# Allegro board KIT_PSE84_AI_PSOC_Edge_E84_AI_Board_Layout.brd (continued)
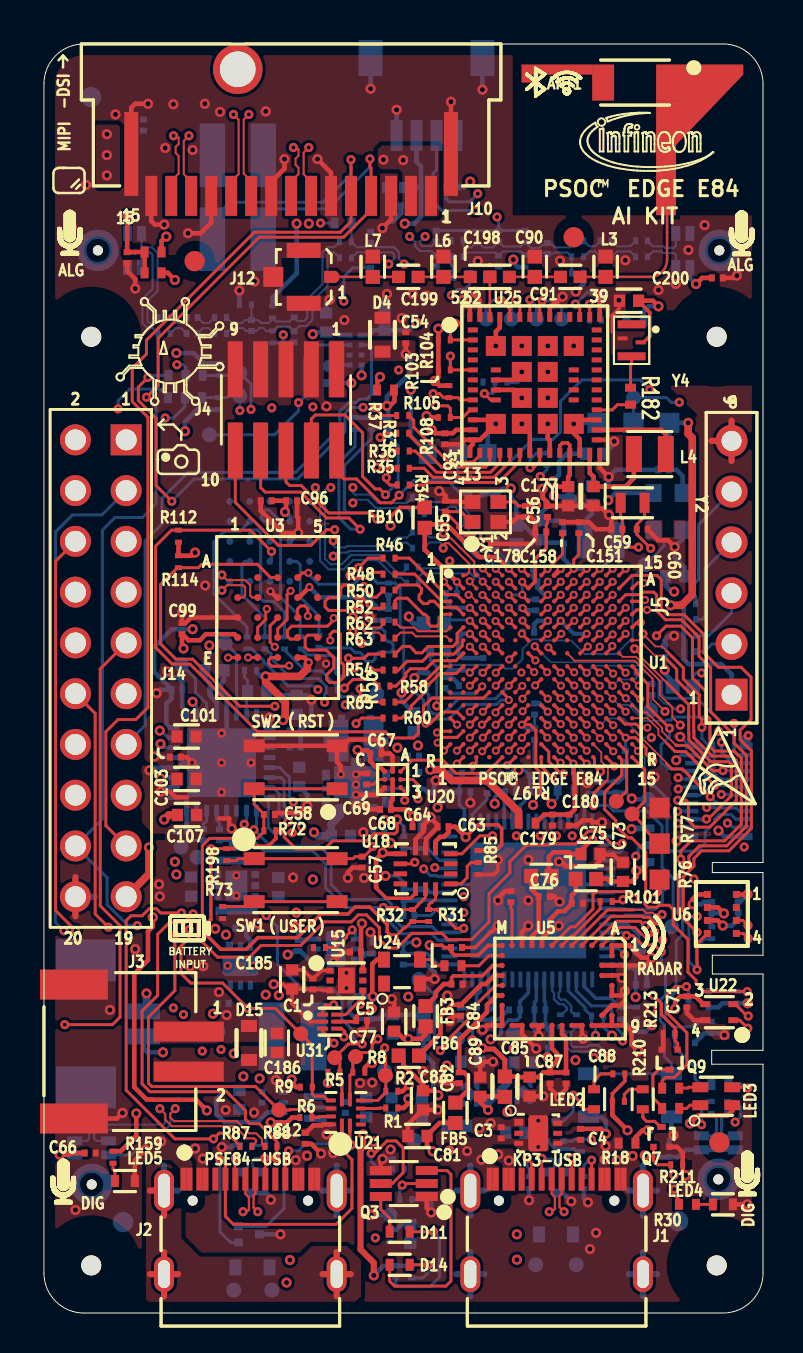
[diagram p0: board, top side]
## Placement (name value [footprint] x y rotation side) (continued)
R23  15K  [RESC0603_0201N]  20.85 14.96 90 bottom
R24  30K  [RESC0603_0201N]  21.65 14.96 90 bottom
R25  15K  [RESC0603_0201N]  28.87 15.01 90 bottom
R26  22 OHM  [RESC0603_0201N]  26.66 14.63 90 bottom
R27  30K  [RESC0603_0201N]  29.67 15.01 90 bottom
R28  22 OHM  [RESC0603_0201N]  25.86 14.63 90 bottom
R29  4.7K  [RESC0603_0201N]  27.71 14.86 0 bottom
R30  560 OHM  [RESC1005_0402N]  32.21 5.44 180 top
R31  2.2K  [RESC0603_0201N]  19.25 19.89 270 top
R32  2.2K  [RESC0603_0201N]  18.45 19.89 270 top
R33  33 OHM  [RESC0603_0201N]  17.96 44.02 0 top
R34  33 OHM  [RESC0603_0201N]  17.98 41.43 0 top
R35  33 OHM  [RESC0603_0201N]  17.98 42.27 0 top
R36  33 OHM  [RESC0603_0201N]  17.98 43.13 0 top
R37  33 OHM  [RESC0603_0201N]  17.96 44.91 0 top
R38  33 OHM  [RESC0603_0201N]  25.17 42.72 90 bottom
R45  33 OHM  [RESC0603_0201N]  12.04 33.53 270 bottom
R46  33 OHM  [RESC0603_0201N]  17.27 37.77 180 top
R47  33 OHM  [RESC0603_0201N]  11.06 33.53 270 bottom
R48  33 OHM  [RESC0603_0201N]  17.27 36.97 180 top
R49  33 OHM  [RESC0603_0201N]  12.88 33.53 270 bottom
R50  33 OHM  [RESC0603_0201N]  17.27 36.17 180 top
R51  33 OHM  [RESC0603_0201N]  10.16 33.53 270 bottom
R52  33 OHM  [RESC0603_0201N]  17.27 35.37 180 top
R54  33 OHM  [RESC0603_0201N]  17.27 32.17 180 top
R56  33 OHM  [RESC0603_0201N]  17.27 32.97 180 top
R58  33 OHM  [RESC0603_0201N]  17.02 31.37 180 top
R60  33 OHM  [RESC0603_0201N]  17.27 29.77 180 top
R61  33 OHM  [RESC0603_0201N]  13.77 33.61 270 bottom
R62  33 OHM  [RESC0603_0201N]  17.27 34.57 180 top
R63  33 OHM  [RESC0603_0201N]  17.27 33.77 180 top
R65  33 OHM  [RESC0603_0201N]  17.27 30.57 180 top
R66  33 OHM  [RESC0603_0201N]  18.75 40.01 0 bottom
R67  33 OHM  [RESC0603_0201N]  18.75 40.81 0 bottom
R68  33 OHM  [RESC0603_0201N]  18.75 39.07 0 bottom
R69  33 OHM  [RESC0603_0201N]  18.75 38.27 0 bottom
R70  33 OHM  [RESC0603_0201N]  18.44 37.33 0 bottom
R71  33 OHM  [RESC0603_0201N]  18.44 36.53 0 bottom
R72  4.7K  [RESC0603_0201N]  11.31 24.13 180 top
R73  1K  [RESC0603_0201N]  8.94 20.04 90 top
R76  4.7K  [RESC1608_0603M]  30.81 22.59 90 top
R77  4.7K  [RESC1608_0603M]  30.81 24.39 90 top
R79  4.7K  [RESC1608_0603M]  30.41 44.54 180 bottom
R80  4.7K  [RESC1608_0603M]  28.61 44.54 180 bottom
R84  100K  [RESC0603_0201N]  33.43 19.03 90 bottom
R85  0 OHM  [RESC0603_0201N]  21.73 22.84 90 top
R86  0 OHM  [RESC0603_0201N]  21.73 22.24 270 top
R87  100 OHM  [RESC0603_0201N]  10.1 8.33 180 top
R88  0 OHM  [RESC0603_0201N]  11.36 8.33 0 top
R91  100 OHM  [RESC0603_0201N]  33.4 10.29 90 bottom
R92  0 OHM  [RESC0603_0201N]  34.22 10.29 90 bottom
R101  0 OHM  [RESC0603_0201N]  28.14 20.59 180 top
R102  150 OHM  [RESC1005_0402N]  20.47 17.37 0 top
R103  10K  [RESC0603_0201N]  20.04 47.19 0 top
R104  10K  [RESC0603_0201N]  20.04 48.69 0 top
R105  10K  [RESC0603_0201N]  20.27 46.1 270 top
R106  10K  [RESC0603_0201N]  27.61 49.68 180 bottom
R107  10K  [RESC0603_0201N]  27.71 51.08 180 bottom
R108  10K  [RESC0603_0201N]  20.04 44.81 0 top
R109  10K  [RESC0603_0201N]  22.28 46.58 0 bottom
R110  0 OHM  [RESC0603_0201N]  22.88 46.58 180 bottom
R112  10K  [RESC0603_0201N]  6.73 38.87 270 top
R114  10K  [RESC0603_0201N]  6.73 37.59 90 top
R123  10K  [RESC0603_0201N]  10.34 32.16 0 bottom
R124  0 OHM  [RESC1005_0402N]  5.46 53.09 180 top
R125  2.55M  [RESC0603_0201N]  11.45 50.09 270 bottom
R126  2.55M  [RESC0603_0201N]  10.08 50.45 0 bottom
R127  40.2K  [RESC0603_0201N]  8.83 49.81 0 bottom
R128  40.2K  [RESC0603_0201N]  15.09 53.6 0 bottom
R129  0 OHM  [RESC0603_0201N]  6.01 49.81 0 bottom
R130  0 OHM  [RESC0603_0201N]  6.01 49.01 0 bottom
R131  40.2K  [RESC0603_0201N]  8.83 49.01 0 bottom
R132  40.2K  [RESC0603_0201N]  15.09 52.8 0 bottom
R133  1.27M  [RESC0603_0201N]  11.45 48.84 270 bottom
R134  2.55M  [RESC0603_0201N]  24.08 52.63 90 bottom
R135  2.55M  [RESC0603_0201N]  26.72 52.03 180 bottom
R136  40.2K  [RESC0603_0201N]  26.72 52.85 180 bottom
R137  40.2K  [RESC0603_0201N]  20.68 52.85 180 bottom
R138  0 OHM  [RESC0603_0201N]  29.92 52.85 180 bottom
R139  0 OHM  [RESC0603_0201N]  29.92 53.65 180 bottom
R140  40.2K  [RESC0603_0201N]  26.72 53.65 180 bottom
R141  40.2K  [RESC0603_0201N]  20.68 53.65 180 bottom
R142  1.27M  [RESC0603_0201N]  24.08 53.88 90 bottom
R153  0 OHM  [RESC1005_0402N]  17.55 56.31 0 bottom
R154  0 OHM  [RESC1005_0402N]  26.14 26.16 0 bottom
R155  200OHM  [RESC0603_0201N]  19.18 31.73 90 bottom
R156  470 OHM  [RESC1005_0402N]  31.37 10.24 0 top
R157  560 OHM  [RESC1005_0402N]  31.37 11.25 0 top
R159  100 OHM  [RESC0603_0201N]  3.45 7.8 90 top
R165  150 OHM  [RESC1005_0402N]  33.83 11.43 180 bottom
R173  100K  [RESC0603_0201N]  18.11 5.69 180 bottom
R174  1K  [RESC0603_0201N]  17.6 2.06 90 bottom
R182  0 OHM  [RESC1005_0402N]  29.36 45.87 270 top
R187  0 OHM  [RESC1608_0603N]  21.46 42.98 180 bottom
R188  0 OHM  [RESC1608_0603N]  19.96 42.98 180 bottom
R189  10K  [RESC0603_0201N]  21.01 41.8 180 bottom
R190  1K  [RESC0603_0201N]  18.4 2.06 90 bottom
R191  100K  [RESC0603_0201N]  17.76 7.21 180 bottom
R192  100K  [RESC0603_0201N]  32.32 35.49 180 bottom
R193  100K  [RESC0603_0201N]  32.32 34.69 180 bottom
R194  100K  [RESC0603_0201N]  32.32 33.89 180 bottom
R195  100K  [RESC0603_0201N]  32.32 33.09 180 bottom
R196  0 OHM  [RESC1005_0402N]  17.09 46.18 180 top
R197  0 OHM  [RESC1005_0402N]  24.18 24.51 180 top
R198  4.7K  [RESC0603_0201N]  9.15 22.94 270 top
R199  10K  [RESC0603_0201N]  21.62 40.97 180 bottom
R200  10K  [RESC0603_0201N]  17.22 44.5 270 bottom
R201  10K  [RESC0603_0201N]  16.38 44.5 270 bottom
R202  10K  [RESC0603_0201N]  15.57 44.5 270 bottom
R203  0 OHM  [RESC1005_0402N]  29.59 49.63 0 bottom
R204  4.7K  [RESC0603_0201N]  8.81 47.21 270 bottom
R205  4.7K  [RESC0603_0201N]  8.74 45.5 90 bottom
R206  4.7K  [RESC0603_0201N]  19.17 56.34 180 bottom
R207  4.7K  [RESC0603_0201N]  20.42 56.34 0 bottom
R208  10K  [RESC0603_0201N]  17.25 36.22 270 bottom
R209  2.2K  [RESC0603_0201N]  28.75 10.59 180 top
R210  1K  [RESC0603_0201N]  28.78 11.96 0 top
R211  100K  [RESC0603_0201N]  31.67 7.42 180 top
R212  100K  [RESC0603_0201N]  26.9 8.38 90 bottom
R213  100K  [RESC0603_0201N]  31.29 14 0 top
R214  100K  [RESC0603_0201N]  34.7 15.8 90 bottom
R215  100K  [RESC0603_0201N]  33.4 14.3 90 bottom
R216  0 OHM  [RESC1005_0402N]  13.84 47.38 180 bottom
R217  0 OHM  [RESC1005_0402N]  14.27 46.96 270 bottom
R218  0 OHM  [RESC1005_0402N]  19.76 33.1 180 bottom
R219  10K  [RESC0603_0201N]  13.79 18.29 180 top
R220  0 OHM  [RESC1005_0402N]  6.67 46.91 180 bottom
R221  0 OHM  [RESC1005_0402N]  7.52 46.91 0 bottom
R222  0 OHM  [RESC1005_0402N]  7.48 45.8 0 bottom
R223  0 OHM  [RESC1005_0402N]  6.63 45.8 180 bottom
R224  0 OHM  [RESC1005_0402N]  5.46 52.05 180 top
R225  0 OHM  [RESC1005_0402N]  30.28 22.99 90 bottom
R226  0 OHM  [RESC1005_0402N]  30.28 23.83 270 bottom
R227  0 OHM  [RESC1005_0402N]  14.97 54.53 0 bottom
R228  0 OHM  [RESC1005_0402N]  20.88 51.92 180 bottom
SW1  434123025826  [SW_SKRPACE010]  12.6 21.66 0 top
SW2  434133025816  [SW_434133025816]  12.6 27.31 180 top
SW3  434123025826  [SW_SKRPACE010]  29.34 10.9 180 bottom
TP1  TP_SMD  [ICT_TP_SMD_030RD_NSP]  24.61 2.41 180 bottom
TP2  TP_SMD  [ICT_TP_SMD_030RD_NSP]  26.65 2.41 180 bottom
TP3  TP_SMD  [ICT_TP_SMD_030RD_NSP]  17.09 11.89 180 top
TP4  TP_SMD  [ICT_TP_SMD_030RD_NSP]  14.55 12.78 180 top
TP5  TP_SMD  [ICT_TP_SMD_030RD_NSP]  11.76 10.16 180 top
TP6  TP_SMD  [ICT_TP_SMD_030RD_NSP]  15.6 12.83 180 top
TP7  TP_SMD  [ICT_TP_SMD_030RD_NSP]  12.85 13.97 180 top
TP8  TP_SMD  [ICT_TP_SMD_030RD_NSP]  8.71 14.07 180 bottom
TP9  TP_SMD  [ICT_TP_SMD_030RD_NSP]  9.5 1.14 180 bottom
TP10  TP_SMD  [ICT_TP_SMD_030RD_NSP]  11.41 1.14 180 bottom
TP12  TP_SMD  [ICT_TP_SMD_030RD_NSP]  18.54 8.64 180 bottom
TP16  TP_SMD  [ICT_TP_SMD_030RD_NSP]  30.25 25.71 180 bottom
TP17  TP_SMD  [ICT_TP_SMD_030RD_NSP]  17.32 4.9 180 bottom
TP18  TP_SMD  [ICT_TP_SMD_030RD_NSP]  30.91 21.44 180 bottom
TP19  TP_SMD  [ICT_TP_SMD_030RD_NSP]  29.78 18.18 180 bottom
TP20  TP_SMD  [ICT_TP_SMD_030RD_NSP]  31.42 19.33 180 bottom
TP21  TP_SMD  [ICT_TP_SMD_030RD_NSP]  18.77 16.69 180 bottom
TP22  TP_SMD  [ICT_TP_SMD_030RD_NSP]  6.88 32.44 180 bottom
TP23  TP_SMD  [ICT_TP_SMD_030RD_NSP]  9.07 33.53 180 bottom
TP24  TP_SMD  [ICT_TP_SMD_030RD_NSP]  9.63 23.5 180 bottom
TP25  TP_SMD  [ICT_TP_SMD_030RD_NSP]  6.86 23.32 180 bottom
TP45  TP_SMD  [ICT_TP_SMD_030RD_NSP]  26.31 40.69 270 bottom
TP46  TP_SMD  [ICT_TP_SMD_030RD_NSP]  30.38 30.15 0 bottom
TP47  TP_SMD  [ICT_TP_SMD_030RD_NSP]  17.04 12.12 180 bottom
TP48  TP_SMD  [ICT_TP_SMD_030RD_NSP]  16.66 30.99 90 bottom
TP49  TP_SMD  [ICT_TP_SMD_030RD_NSP]  7.67 22.81 270 bottom
TP50  TP_SMD  [ICT_TP_SMD_030RD_NSP]  23.5 14 0 bottom
TP51  TP_SMD  [ICT_TP_SMD_030RD_NSP]  20.7 13.72 180 bottom
TP52  TP_SMD  [ICT_TP_SMD_030RD_NSP]  30.1 37.44 180 bottom
TP53  TP_SMD  [ICT_TP_SMD_030RD_NSP]  25.91 49.73 180 bottom
TP54  TP_SMD  [ICT_TP_SMD_030RD_NSP]  24.65 49.73 180 bottom
TP55  TP_SMD  [ICT_TP_SMD_030RD_NSP]  22.14 49.73 180 bottom
TP56  TP_SMD  [ICT_TP_SMD_030RD_NSP]  23.39 49.73 180 bottom
TP65  TP_SMD  [ICT_TP_SMD_030RD_NSP]  29.51 45.8 180 bottom
TP66  TP_SMD  [ICT_TP_SMD_030RD_NSP]  29.44 24.97 0 top
TP69  TP_SMD  [ICT_TP_SMD_030RD_NSP]  28.65 25.6 0 top
TP70  TP_SMD  [ICT_TP_SMD_030RD_NSP]  8.28 43.94 180 bottom
TP71  TP_SMD  [ICT_TP_SMD_030RD_NSP]  9.8 45.9 180 bottom
TP72  TP_SMD  [ICT_TP_SMD_030RD_NSP]  9.8 47.04 180 bottom
U1  PSE846GPS2DBZC4  [BGA220C65P15X15_1000X1000X100_EXPLORER]  24.89 32.36 0 top
U2  CY8C5868LTI-LP039  [QFN40P800X800_68-H580N]  24.25 20.64 180 bottom
U3  S70KS1283GABHI020  [BGA24C100P5X5_600X800X120]  11.7 34.8 0 top
U4  S25HS512TFABHI013  [BGA24C100P5X5_600X800X120]  11.3 38.61 90 bottom
U5  BGT60TR13CE6327XUMA1  [VF2BGA40N50P9X12_500X650X90]  25.85 16.22 270 top
U6  DPS368XTSA1  [LGA8S145X65P2X4_200X250X110]  33.93 19.97 270 top
U7  IM73D122V01XTMA1  [MIC_IM73D122V01]  33.76 7.37 0 bottom
U8  IM73D122V01XTMA1  [MIC_IM73D122V01]  2.39 7.11 0 bottom
U9  IM73A135V01XTSA1  [MIC_IM73A135V01XTSA1]  33.13 53.17 90 bottom
U10  IM73A135V01XTSA1  [MIC_IM73A135V01XTSA1]  3.38 53.17 270 bottom
U13  XCL212B082DR  [CONV_XCL212B082DR]  15.62 27.56 0 bottom
U15  XC8111AA018R-G  [XFDFN50P180X150X33-7N_TOREX]  15.14 16.64 0 top
U18  BMI270  [BOSCH_BMI323]  19.1 22.23 180 top
U19  ESD7L5.0DT5G  [SOTFL40P120X59-3N]  25.65 6.52 270 bottom
U20  BMM350  [BOSCH_BMM350]  17.45 26.7 270 top
U21  TUSB321RWBR  [X2QFN40P160X160X40-12N_TI]  15.11 10.03 90 top
U22  SHT40-AD1B-R2  [SENSOR_SHT40-AD1B-R2]  33.81 15.05 180 top
U23  XC8114AA016R-G  [SON50P200X180X60-6N_TP]  9.83 17.37 270 bottom
U24  80 MHz  [OSCCC200X160X80-4N]  17.92 17.08 0 top
U25  LBEE5HY2FY  [MODULE_LBEE5HY2FY]  24.57 46.44 270 top
U26  XC8114AA016R-G  [SON50P200X180X60-6N_TP]  14.61 18.21 0 bottom
U27  XC8114AA016R-G  [SON50P200X180X60-6N_TP]  24.74 8.99 0 top
U28  TLV320DAC3100  [QFN50P500X500X100-32N_TP_NOFID]  8.89 27.53 180 bottom
U29  TPS61022RWUR  [VQFN50P200X200X100-7N_TI]  12.96 10.29 180 bottom
U30  ESD7L5.0DT5G  [SOTFL40P120X59-3N]  10.34 6.53 270 bottom
U31  74LVC2G14GS,132  [DFN35P100X100X40-6N]  14.3 14.58 0 top
U33  NCP163AMX180TBG  [DFN65P100X100X43-5N]  24 11.05 0 bottom
U34  XCL240B183FR-G  [CONV_XCL240B183FR-G]  9.63 21.39 90 bottom
U35  NCP163AMX330TBG  [DFN65P100X100X43-5N]  21.34 10.92 0 bottom
U36  ESD7L5.0DT5G  [SOTFL40P120X59-3N]  10.26 3.94 0 bottom
U40  74LVCH2T45GT,115  [SON50P100X200_08_SOT833-1]  15.6 48.18 180 bottom
Y1  17.2032MHz  [XTALS4_2MX1M6]  22.1 40.08 90 top
Y2  32.768kHz  [XTAL_ABS05_1M6X1M]  29.47 40.54 180 top
Y3  24MHZ  [OSCCC200X250X90-4N]  31.24 40.11 270 bottom
Y4  SIT1533AI-H4-DCC-32.768E  [OSCS4_SIT_2M0X1M2SPL_NGOPQ]  29.41 48.67 0 top

## Library data of the parts
ANT1 = ANT_RFANT3216120A5T
C1 C3-C9 C11-C14 C16 C17 C21 C27 C28 C30 C31 C35-C130 C136-C180 C182-C186 C189 C191 C194 C196-C200 C203-C205 = CAP-NP
D1 D2 D4 D15 = DIO-TVS
D11 D14 LED1 LED2 LED4 LED5 = DIO-LED
FB1-FB11 = FB
J1 J2 = USB_TYPE_C-16PIN_4SH
J3 J8 = PLG-2-J_SH1_2
J4 = PLG-10-ODD-EVEN-J
J5 = PLG-6-J
J7 = PLG-4-2SH-J
J10 = SKT-15-2SH-J
J12 = A-1JB
J14 = SKT-20-ODD-EVEN-J: User Part Number: Part No
J16 = PLG-4-ODD-EVEN-J
J17 = PLG-20-ODD-EVEN-4SH-J
L1 = IND-SHIELDED
L2-L7 = IND
LED3 = LED_150066M153000
Q3 = FET-MOS-N-G2S1D6-5G4S3D
Q7-Q11 = FET-MOS-N_XP222N03017R
R1-R11 R15 R16 R18 R21-R32 R38 R66-R73 R76 R77 R79 R80 R84-R88 R91 R92 R101-R110 R112 R114 R123-R142 R153-R157 R159 R165 R173 R174 R182 R187-R228 = RES
R33-R37 R45-R52 R54 R56 R58 R60-R63 R65 = RES: signal model: RES_RESC0603_0201N_DISCRETE_33_OHM_33_OHM
SW1-SW3 = SWITCH-PB-12-34
TP1-TP10 TP12 TP16-TP25 TP45-TP56 TP65 TP66 TP69-TP72 = TP_SMD: User Part Number: Part No
U1 = Explorer_220BGA_rev9280_May22
U2 = CY8C5868LTI-LP039
U3 = IC_S70KS1283GAB
U4 = IC_S25HS512TFABHI013
U5 = IC_BGT60TR13C
U6 = IC_DPS368
U7 U8 = IC_IM73D122V01
U9 U10 = IM73A135V01XTSA1
U13 = IC_XCL212B082DR_0
U15 = IC_XC8111AA018R-G
U18 = IC_BMI270
U19 U30 U36 = ESD-ESD7L_SESD7L
U20 = IC_BMM350
U21 = IC_TUSB321_0
U22 = IC_SHT40-AD1B-R2
U23 U26 U27 = IC_XC8114AA016R-G
U24 = OSC-KC2016K
U25 = MOD_LBEE5HY2FY
U28 = TLV320DAC3100
U29 = IC_TPS61022_0
U31 = IC_74LVC2G14GS
U33 U35 = NCP163AMX150TBG
U34 = IC_XCL240B183FR-G_0
U40 = 74LVCH2T45GT: User Part Number: Part No
Y1 = XTAL-4P-2G4G
Y2 = XTAL-2P
Y3 = ECS-2520MV
Y4 = OSC-SiT1533: User Part Number: Part No

## Footprints (pads in the part's own frame, mm; a bottom-side part is the same pattern mirrored in y, then rotated)
AMP_A-1JB_ALT1
  rect 0.75x1.7 smd: G1(-1.325,0) G3(1.325,0)
  rect 1x1 smd: G2(0,1.524)
  custom 0.6x0.75 smd: S(0,-1.399)
AMPHENOL_SFW15R-2STAE1LF
  rect 0.6x2 smd: 1(-7,4.15) 2(-6,4.15) 3(-5,4.15) 4(-4,4.15) 5(-3,4.15) 6(-2,4.15) 7(-1,4.15) 8(0,4.15) 9(1,4.15) 10(2,4.15) 11(3,4.15) 12(4,4.15) 13(5,4.15) 14(6,4.15) 15(7,4.15)
  rect 0.7x4.2 smd: SH1(-8,2.05) SH2(8,2.05)
ANTENNA_2450AD18A6050
  rect 1.1x1.8 smd: 1(1.6,0) 2(-1.6,0)
BGA24C100P5X5_600X800X120
  round 0.35 smd: A2(-1,2) A3(0,2) A4(1,2) A5(2,2) B1(-2,1) B2(-1,1) B3(0,1) B4(1,1) B5(2,1) C1(-2,0) C2(-1,0) C3(0,0) C4(1,0) C5(2,0) D1(-2,-1) D2(-1,-1) D3(0,-1) D4(1,-1) D5(2,-1) E1(-2,-2) E2(-1,-2) E3(0,-2) E4(1,-2) E5(2,-2)
BGA220C65P15X15_1000X1000X100_EXPLORER
  round 0.22 smd: A2(-3.9,4.55) A3(-3.25,4.55) A4(-2.6,4.55) A5(-1.95,4.55) A6(-1.3,4.55) A7(-0.65,4.55) A8(0,4.55) A9(0.65,4.55) A10(1.3,4.55) A11(1.95,4.55) A12(2.6,4.55) A13(3.25,4.55) A14(3.9,4.55) B1(-4.55,3.9) B2(-3.9,3.9) B3(-3.25,3.9) B4(-2.6,3.9) B5(-1.95,3.9) B6(-1.3,3.9) B7(-0.65,3.9) B8(0,3.9) B9(0.65,3.9) B10(1.3,3.9) B11(1.95,3.9) B12(2.6,3.9) B13(3.25,3.9) B14(3.9,3.9) B15(4.55,3.9) C1(-4.55,3.25) C2(-3.9,3.25) C3(-3.25,3.25) C4(-2.6,3.25) C5(-1.95,3.25) C6(-1.3,3.25) C7(-0.65,3.25) C8(0,3.25) C9(0.65,3.25) C10(1.3,3.25) C11(1.95,3.25) C12(2.6,3.25) C13(3.25,3.25) C14(3.9,3.25) C15(4.55,3.25) D1(-4.55,2.6) D2(-3.9,2.6) D3(-3.25,2.6) D4(-2.6,2.6) D5(-1.95,2.6) D6(-1.3,2.6) D7(-0.65,2.6) D8(0,2.6) D9(0.65,2.6) D10(1.3,2.6) D11(1.95,2.6) D12(2.6,2.6) D13(3.25,2.6) D14(3.9,2.6) D15(4.55,2.6) E1(-4.55,1.95) E2(-3.9,1.95) E3(-3.25,1.95) E4(-2.6,1.95) E5(-1.95,1.95) E6(-1.3,1.95) E7(-0.65,1.95) E8(0,1.95) E9(0.65,1.95) E10(1.3,1.95) E11(1.95,1.95) E12(2.6,1.95) E13(3.25,1.95) E14(3.9,1.95) E15(4.55,1.95) F1(-4.55,1.3) F2(-3.9,1.3) F3(-3.25,1.3) F4(-2.6,1.3) F5(-1.95,1.3) F6(-1.3,1.3) F7(-0.65,1.3) F8(0,1.3) F9(0.65,1.3) F10(1.3,1.3) F11(1.95,1.3) F12(2.6,1.3) F13(3.25,1.3) F14(3.9,1.3) F15(4.55,1.3) G2(-3.9,0.65) G3(-3.25,0.65) G4(-2.6,0.65) G5(-1.95,0.65) G6(-1.3,0.65) G7(-0.65,0.65) G8(0,0.65) G9(0.65,0.65) G10(1.3,0.65) G11(1.95,0.65) G12(2.6,0.65) G13(3.25,0.65) G14(3.9,0.65) H1(-4.55,0) H2(-3.9,0) H3(-3.25,0) H4(-2.6,0) H5(-1.95,0) H6(-1.3,0) H7(-0.65,0) H8(0,0) H9(0.65,0) H10(1.3,0) H11(1.95,0) H12(2.6,0) H13(3.25,0) H14(3.9,0) H15(4.55,0) J1(-4.55,-0.65) J2(-3.9,-0.65) J3(-3.25,-0.65) J4(-2.6,-0.65) J5(-1.95,-0.65) J6(-1.3,-0.65) J7(-0.65,-0.65) J8(0,-0.65) J9(0.65,-0.65) J10(1.3,-0.65) J11(1.95,-0.65) J12(2.6,-0.65) J13(3.25,-0.65) J14(3.9,-0.65) J15(4.55,-0.65) K1(-4.55,-1.3) K2(-3.9,-1.3) K3(-3.25,-1.3) K4(-2.6,-1.3) K5(-1.95,-1.3) K6(-1.3,-1.3) K7(-0.65,-1.3) K8(0,-1.3) K9(0.65,-1.3) K10(1.3,-1.3) K11(1.95,-1.3) K12(2.6,-1.3) K13(3.25,-1.3) K14(3.9,-1.3) K15(4.55,-1.3) L1(-4.55,-1.95) L2(-3.9,-1.95) L3(-3.25,-1.95) L4(-2.6,-1.95) L5(-1.95,-1.95) L6(-1.3,-1.95) L7(-0.65,-1.95) L8(0,-1.95) L9(0.65,-1.95) L10(1.3,-1.95) L11(1.95,-1.95) L12(2.6,-1.95) L13(3.25,-1.95) L14(3.9,-1.95) L15(4.55,-1.95) M1(-4.55,-2.6) M2(-3.9,-2.6) M3(-3.25,-2.6) M4(-2.6,-2.6) M5(-1.95,-2.6) M6(-1.3,-2.6) M7(-0.65,-2.6) M8(0,-2.6) M9(0.65,-2.6) M10(1.3,-2.6) M11(1.95,-2.6) M12(2.6,-2.6) M13(3.25,-2.6) M14(3.9,-2.6) M15(4.55,-2.6) N1(-4.55,-3.25) N2(-3.9,-3.25) N3(-3.25,-3.25) N4(-2.6,-3.25) N5(-1.95,-3.25) N6(-1.3,-3.25) N7(-0.65,-3.25) N8(0,-3.25) N9(0.65,-3.25) N10(1.3,-3.25) N11(1.95,-3.25) N12(2.6,-3.25) N13(3.25,-3.25) N14(3.9,-3.25) N15(4.55,-3.25) P1(-4.55,-3.9) P2(-3.9,-3.9) P3(-3.25,-3.9) P4(-2.6,-3.9) P5(-1.95,-3.9) P6(-1.3,-3.9) P7(-0.65,-3.9) P8(0,-3.9) P9(0.65,-3.9) P10(1.3,-3.9) P11(1.95,-3.9) P12(2.6,-3.9) P13(3.25,-3.9) P14(3.9,-3.9) P15(4.55,-3.9) R2(-3.9,-4.55) R3(-3.25,-4.55) R4(-2.6,-4.55) R5(-1.95,-4.55) R6(-1.3,-4.55) R7(-0.65,-4.55) R8(0,-4.55) R9(0.65,-4.55) R10(1.3,-4.55) R11(1.95,-4.55) R12(2.6,-4.55) R13(3.25,-4.55) R14(3.9,-4.55) R15(4.55,-4.55)
BOSCH_BMI323
  rect 0.675x0.25 smd: 1(-1.262,0.75) 2(-1.262,0.25) 3(-1.262,-0.25) 4(-1.262,-0.75) 8(1.262,-0.75) 9(1.262,-0.25) 10(1.262,0.25) 11(1.262,0.75)
  rect 0.25x0.675 smd: 5(-0.5,-1.012) 6(0,-1.012) 7(0.5,-1.012) 12(0.5,1.012) 13(0,1.012) 14(-0.5,1.012)
BOSCH_BMM350
  round 0.25 smd: A1(-0.4,0.4) A2(0,0.4) A3(0.4,0.4) B1(-0.4,0) B2(0,0) B3(0.4,0) C1(-0.4,-0.4) C2(0,-0.4) C3(0.4,-0.4)
CAPC0603_0201N
  rect 0.3x0.35 smd: 1(-0.275,0) 2(0.275,0)
CAPC1005_0402M
  rect 0.65x0.62 smd: 1(-0.49,0) 2(0.49,0)
CAPC1005_0402N
  rect 0.56x0.62 smd: 1(-0.48,0) 2(0.48,0)
CONV_XCL212B082DR
  rect 0.4x0.55 smd: 1(-1.5,2) 3(-1.5,0.65) 4(1.5,0.65) 6(1.5,2)
  rect 0.4x0.3 smd: 2(-1.5,1.325) 5(1.5,1.325)
  rect 0.55x0.4 smd: 7(0.8,2.3) 9(-0.8,2.3)
  custom 2.2x2.6 smd: 8(0,1.1)
  custom 1.25x2.35 smd: 10(-1,-1.2) 11(1,-1.2)
CONV_XCL240B183FR-G
  rect 0.35x0.375 smd: 1(-0.55,-0.938) 2(0,-0.938) 3(0.55,-0.938) 4(0.55,0.937) 5(0,0.937) 6(-0.55,0.937)
  rect 0.4x2.1 smd: 7(-1.25,0) 8(1.25,0)
  rect 1.5x1.1 smd: H(0,0)
DFN35P100X100X40-6N
  rect 0.55x0.2 smd: 1(-0.35,0.35) 2(-0.35,0) 3(-0.35,-0.35) 4(0.35,-0.35) 5(0.35,0) 6(0.35,0.35)
DFN65P100X100X43-5N
  custom 0.26x0.39 smd: 1(-0.325,-0.405) 2(0.325,-0.405) 3(0.325,0.405) 4(-0.325,0.405)
  rect 0.52x0.52 smd rot 45: 5(0,0)
GCT_USB4105-GF-A
  round 0.5 hole 0.65 unplated: (-2.89,2.605) (2.89,2.605)
  rect 0.3x1.15 smd: A1(-3.35,3.68) A4(-2.55,3.68) A5(-1.25,3.68) A6(-0.25,3.68) A7(0.25,3.68) A8(1.25,3.68) A9(2.55,3.68) A12(3.35,3.68) B1(3.05,3.68) B4(2.25,3.68) B5(1.75,3.68) B6(0.75,3.68) B7(-0.75,3.68) B8(-1.75,3.68) B9(-2.25,3.68) B12(-3.05,3.68)
  oval 1x2.1 hole 0.6x1.7: SH1(-4.32,3.105) SH2(4.32,3.105)
  oval 1x1.8 hole 0.6x1.4: SH3(-4.32,-1.075) SH4(4.32,-1.075)
HIROSE_DF40C-20DP-0P4V
  rect 0.23x0.66 smd: 1(-1.8,-1.355) 2(-1.8,1.355) 3(-1.4,-1.355) 4(-1.4,1.355) 5(-1,-1.355) 6(-1,1.355) 7(-0.6,-1.355) 8(-0.6,1.355) 9(-0.2,-1.355) 10(-0.2,1.355) 11(0.2,-1.355) 12(0.2,1.355) 13(0.6,-1.355) 14(0.6,1.355) 15(1,-1.355) 16(1,1.355) 17(1.4,-1.355) 18(1.4,1.355) 19(1.8,-1.355) 20(1.8,1.355)
  rect 0.35x0.66 smd: SH1(-2.275,-1.355) SH2(-2.275,1.355) SH3(2.275,-1.355) SH4(2.275,1.355)
ICT_TP_SMD_030RD_NSP
  round 0.75 smd: 1(0,0)
IND_74438336010
  rect 1.3x3.4 smd: 1(-1.05,0) 2(1.05,0)
IND_74479276222C
  rect 0.8x1.8 smd: 1(-0.8,0) 2(0.8,0)
INDC1005_0402M
  rect 0.7x0.72 smd: 1(-0.51,0) 2(0.51,0)
JST_S2B-PH-SM4-TB-LF-SN
  rect 1x3.5 smd: 1(1,-3.45) 2(-1,-3.45)
  rect 1.5x3.4 smd: SH1(3.35,2.3) SH2(-3.35,2.3)
JST_SM04B-SRSS-TB
  rect 0.6x1.55 smd: 1(-1.5,2.45) 2(-0.5,2.45) 3(0.5,2.45) 4(1.5,2.45)
  rect 1.2x1.8 smd: SH1(-2.8,-1.425) SH2(2.8,-1.425)
LED_150066M153000
  rect 0.8x0.5 smd: 1(-0.8,-0.45) 2(-0.8,0.45) 3(0.8,0.45) 4(0.8,-0.45)
LEDC1005X35N_AMB_WURTH
  rect 0.4x0.6 smd: A(0.5,0) K(-0.5,0)
LGA8S145X65P2X4_200X250X110
  rect 0.35x0.35 smd: 1(-0.975,0.725) 2(-0.325,0.725) 3(0.325,0.725) 4(0.975,0.725) 5(0.975,-0.725) 6(0.325,-0.725) 7(-0.325,-0.725) 8(-0.975,-0.725)
MIC_IM73A135V01XTSA1
  round 0.5 hole 0.8 unplated: (0,0.68)
  rect 0.75x0.45 smd: 1(-0.85,-1.5) 2(-0.85,-0.8) 3(0.85,-1.5) 4(0.85,-0.8)
  round 0.2 smd: 5(0,1.48)
MIC_IM73D122V01
  round 0.5 hole 0.8 unplated: (0,0.68)
  rect 0.75x0.45 smd: 1(-0.85,-1.5) 2(-0.85,-0.8) 3(0.85,-1.5) 4(0.85,-0.8)
  round 0.2 smd: 5(0,1.48)
MODULE_LBEE5HY2FY
  rect 0.25x0.5 smd: 1(-2.75,-3.1) 2(-2.25,-3.1) 3(-1.75,-3.1) 4(-1.25,-3.1) 5(-0.75,-3.1) 6(-0.25,-3.1) 7(0.25,-3.1) 8(0.75,-3.1) 9(1.25,-3.1) 10(1.75,-3.1) 11(2.25,-3.1) 12(2.75,-3.1) 27(2.75,3.1) 28(2.25,3.1) 29(1.75,3.1) 30(1.25,3.1) 31(0.75,3.1) 32(0.25,3.1) 33(-0.25,3.1) 34(-0.75,3.1) 35(-1.25,3.1) 36(-1.75,3.1) 37(-2.25,3.1) 38(-2.75,3.1) 54(-0.75,-1.95) 55(-0.25,-1.95) 56(0.25,-1.95) 57(0.75,-1.95) 62(0.75,1.95) 63(0.25,1.95) 64(-0.25,1.95) 65(-0.75,1.95)
  rect 0.5x0.25 smd: 13(3.4,-3.25) 14(3.4,-2.75) 15(3.4,-2.25) 16(3.4,-1.75) 17(3.4,-1.25) 18(3.4,-0.75) 19(3.4,-0.25) 20(3.4,0.25) 21(3.4,0.75) 22(3.4,1.25) 23(3.4,1.75) 24(3.4,2.25) 25(3.4,2.75) 26(3.4,3.25) 39(-3.4,3.25) 40(-3.4,2.75) 41(-3.4,2.25) 42(-3.4,1.75) 43(-3.4,1.25) 44(-3.4,0.75) 45(-3.4,0.25) 46(-3.4,-0.25) 47(-3.4,-0.75) 48(-3.4,-1.25) 49(-3.4,-1.75) 50(-3.4,-2.25) 51(-3.4,-2.75) 52(-3.4,-3.25)
  rect 1x1 smd: 53(-1.95,-1.95) 58(1.95,-1.95) 59(1.95,-0.65) 60(1.95,0.65) 61(1.95,1.95) 66(-1.95,1.95) 67(-1.95,0.65) 68(-1.95,-0.65) 69(-0.65,-0.65) 70(0.65,-0.65) 71(0.65,0.65) 72(-0.65,0.65)
MOLEX_532610271
  rect 0.8x1.6 smd: 1(0,0) 2(-1.25,0)
  rect 2.1x3 smd: SH1(2.55,2.9) SH2(-3.8,2.9)
OSCCC200X160X80-4N
  rect 0.6x0.8 smd: 1(-0.9,-0.6) 2(0.9,-0.6) 3(0.9,0.6) 4(-0.9,0.6)
OSCCC200X250X90-4N
  rect 0.9x0.8 smd: 1(-0.925,-0.725) 2(0.925,-0.725) 3(0.925,0.725) 4(-0.925,0.725)
OSCS4_SIT_2M0X1M2SPL_NGOPQ
  rect 0.5x0.2 smd: G(-0.45,0.1) P(0.45,-0.1)
  rect 1.4x0.4 smd: N(0,0.8) O(0,-0.8)
QFN40P800X800_68-H580N
  rect 0.8x0.2 smd: 1(-3.95,3.2) 2(-3.95,2.8) 3(-3.95,2.4) 4(-3.95,2) 5(-3.95,1.6) 6(-3.95,1.2) 7(-3.95,0.8) 8(-3.95,0.4) 9(-3.95,0) 10(-3.95,-0.4) 11(-3.95,-0.8) 12(-3.95,-1.2) 13(-3.95,-1.6) 14(-3.95,-2) 15(-3.95,-2.4) 16(-3.95,-2.8) 17(-3.95,-3.2) 35(3.95,-3.2) 36(3.95,-2.8) 37(3.95,-2.4) 38(3.95,-2) 39(3.95,-1.6) 40(3.95,-1.2) 41(3.95,-0.8) 42(3.95,-0.4) 43(3.95,0) 44(3.95,0.4) 45(3.95,0.8) 46(3.95,1.2) 47(3.95,1.6) 48(3.95,2) 49(3.95,2.4) 50(3.95,2.8) 51(3.95,3.2)
  rect 0.2x0.8 smd: 18(-3.2,-3.95) 19(-2.8,-3.95) 20(-2.4,-3.95) 21(-2,-3.95) 22(-1.6,-3.95) 23(-1.2,-3.95) 24(-0.8,-3.95) 25(-0.4,-3.95) 26(0,-3.95) 27(0.4,-3.95) 28(0.8,-3.95) 29(1.2,-3.95) 30(1.6,-3.95) 31(2,-3.95) 32(2.4,-3.95) 33(2.8,-3.95) 34(3.2,-3.95) 52(3.2,3.95) 53(2.8,3.95) 54(2.4,3.95) 55(2,3.95) 56(1.6,3.95) 57(1.2,3.95) 58(0.8,3.95) 59(0.4,3.95) 60(0,3.95) 61(-0.4,3.95) 62(-0.8,3.95) 63(-1.2,3.95) 64(-1.6,3.95) 65(-2,3.95) 66(-2.4,3.95) 67(-2.8,3.95) 68(-3.2,3.95)
  rect 5.8x5.8 smd: H(0,0)
QFN50P500X500X100-32N_TP_NOFID
  rrect 0.6x0.25 smd: 1(-2.4,1.75) 2(-2.4,1.25) 3(-2.4,0.75) 4(-2.4,0.25) 5(-2.4,-0.25) 6(-2.4,-0.75) 7(-2.4,-1.25) 8(-2.4,-1.75) 17(2.4,-1.75) 18(2.4,-1.25) 19(2.4,-0.75) 20(2.4,-0.25) 21(2.4,0.25) 22(2.4,0.75) 23(2.4,1.25) 24(2.4,1.75)
  rrect 0.25x0.6 smd: 9(-1.75,-2.4) 10(-1.25,-2.4) 11(-0.75,-2.4) 12(-0.25,-2.4) 13(0.25,-2.4) 14(0.75,-2.4) 15(1.25,-2.4) 16(1.75,-2.4) 25(1.75,2.4) 26(1.25,2.4) 27(0.75,2.4) 28(0.25,2.4) 29(-0.25,2.4) 30(-0.75,2.4) 31(-1.25,2.4) 32(-1.75,2.4)
  rrect 3.45x3.45 smd: H(0,0)
RESC0603_0201N
  rect 0.25x0.35 smd: 1(-0.3,0) 2(0.3,0)
RESC1005_0402N
  rect 0.4x0.55 smd: 1(-0.425,0) 2(0.425,0)
RESC1608_0603M
  rect 1x1 smd: 1(-0.9,0) 2(0.9,0)
RESC1608_0603N
  rect 0.9x1 smd: 1(-0.75,0) 2(0.75,0)
RTST254P2X10_W515
  rect 1.55x1.55 hole 1.05: 1(0,0)
  round 1.55 hole 1.05: 2(0,-2.54) 3(2.54,0) 4(2.54,-2.54) 5(5.08,0) 6(5.08,-2.54) 7(7.62,0) 8(7.62,-2.54) 9(10.16,0) 10(10.16,-2.54) 11(12.7,0) 12(12.7,-2.54) 13(15.24,0) 14(15.24,-2.54) 15(17.78,0) 16(17.78,-2.54) 17(20.32,0) 18(20.32,-2.54) 19(22.86,0) 20(22.86,-2.54)
SAMT_FTSH-105-XX-X-DV-K
  rect 0.75x2.8 smd: 1(-2.54,-2.03) 2(-2.54,2.03) 3(-1.27,-2.03) 4(-1.27,2.03) 5(0,-2.03) 6(0,2.03) 7(1.27,-2.03) 8(1.27,2.03) 9(2.54,-2.03) 10(2.54,2.03)
SAMTEC_TSM-102-01-L-DH-A-P-TR
  round 2.48 hole 1.78: (0,0)
  rect 1.27x3.18 smd: 1(-1.27,4.305) 2(-1.27,8.495) 3(1.27,4.305) 4(1.27,8.495)
SENSOR_SHT40-AD1B-R2
  rect 0.5x0.3 smd: 1(-0.7,0.4) 2(-0.7,-0.4) 3(0.7,-0.4) 4(0.7,0.4)
SODFL1608X77N
  rect 0.6x0.8 smd: A(-0.85,0) K(0.85,0)
SON50P100X200_08_SOT833-1
  rect 0.35x0.25 smd: 1(-0.275,0.75)
  rect 0.3x0.25 smd: 2(-0.3,0.25) 3(-0.3,-0.25) 4(-0.3,-0.75) 5(0.3,-0.75) 6(0.3,-0.25) 7(0.3,0.25) 8(0.3,0.75)
SON50P200X180X60-6N_TP
  rect 0.45x0.35 smd: 1(-0.975,0.55)
  rect 0.45x0.25 smd: 2(-0.975,0) 3(-0.975,-0.5) 4(0.975,-0.5) 5(0.975,0) 6(0.975,0.5)
  custom 1x1.8 smd: H(0,0)
SOT65P210X100-6M
  rect 1.1x0.45 smd: 1(-1.15,0.65) 2(-1.15,0) 3(-1.15,-0.65) 4(1.15,-0.65) 5(1.15,0) 6(1.15,0.65)
SOTFL40P120X50-3N_MOSFET_TOREX
  rect 0.42x0.3 smd: D(0,0.5)
  rect 0.32x0.3 smd: G(-0.4,-0.5) S(0.4,-0.5)
SOTFL40P120X59-3N
  rect 0.45x0.4 smd: 1(-0.525,0.4) 2(-0.525,-0.4) 3(0.525,0)
SULLINS_PRPC006SFAN-RC
  rect 1.6x1.6 hole 1: 1(0,0)
  round 1.6 hole 1: 2(2.54,0) 3(5.08,0) 4(7.62,0) 5(10.16,0) 6(12.7,0)
SW_434133025816
  rect 1.05x0.65 smd: 1(-2.075,1.075) 2(2.075,1.075) 3(-2.075,-1.075) 4(2.075,-1.075)
SW_SKRPACE010
  rect 1.05x0.65 smd: 1(-2.075,1.075) 2(2.075,1.075) 3(-2.075,-1.075) 4(2.075,-1.075)
unnamed#2
  round 1.016 smd: (0,0)
unnamed#3
  round 1 hole 3 unplated: (0,0)
VF2BGA40N50P9X12_500X650X90
  round 0.275 smd: A1(-2.17,2.58) A2(-1.67,2.58) A3(-1.17,2.58) A4(-0.67,2.58) A5(-0.17,2.58) A6(0.33,2.58) A7(0.83,2.58) A8(1.33,2.58) A9(1.83,2.58) B1(-2.17,2.08) B3(-1.17,2.08) B4(-0.67,2.08) B8(1.33,2.08) B9(1.83,2.08) C1(-2.17,1.58) C9(1.83,1.58) D1(-2.17,1.08) D9(1.83,1.08) E1(-2.17,0.58) E9(1.83,0.58) F1(-2.17,0.08) F9(1.83,0.08) G1(-2.17,-0.42) G9(1.83,-0.42) H1(-2.17,-0.92) H9(1.83,-0.92) J1(-2.17,-1.42) J9(1.83,-1.42) K1(-2.17,-1.92) K9(1.83,-1.92) L1(-2.17,-2.42) L9(1.83,-2.42) M1(-2.17,-2.92) M2(-1.67,-2.92) M3(-1.17,-2.92) M4(-0.67,-2.92) M5(-0.17,-2.92) M6(0.33,-2.92) M7(0.83,-2.92) M9(1.83,-2.92)
VQFN50P200X200X100-7N_TI
  rrect 1.15x0.35 smd: 1(-0.625,0.55) 3(-0.625,-0.55)
  rrect 1.45x0.2 smd: 2(-0.475,0)
  rrect 0.45x0.25 smd: 4(0.975,-0.75) 5(0.975,-0.25) 6(0.975,0.25) 7(0.975,0.75)
X2QFN40P160X160X40-12N_TI
  rrect 0.7x0.2 smd: 1(-0.65,0.2) 2(-0.65,-0.2) 7(0.65,-0.2) 8(0.65,0.2)
  rrect 0.2x0.5 smd: 3(-0.6,-0.75) 4(-0.2,-0.75) 5(0.2,-0.75) 6(0.6,-0.75) 9(0.6,0.75) 10(0.2,0.75) 11(-0.2,0.75) 12(-0.6,0.75)
XFDFN50P180X150X33-7N_TOREX
  rect 0.36x0.3 smd: 1(-0.82,0.5) 2(-0.82,0) 3(-0.82,-0.5) 4(0.82,-0.5) 5(0.82,0) 6(0.82,0.5)
  rect 0.84x1.3 smd: H(0,0)
XTAL_ABS05_1M6X1M
  rect 0.5x1 smd: 1(-0.6,0) 2(0.6,0)
XTALS4_2MX1M6
  rect 0.7x0.8 smd: 1(-0.5,0.65) 2(-0.5,-0.65) 3(0.5,-0.65) 4(0.5,0.65)

## Nets
